# Altium PCB CCZynq.PcbDoc (part 3 of 5)
Units mil, origin at the board's own origin, x right, y up, seen from the top; angles counter-clockwise.
Board outline 3895 x 3895 mil, 4 copper layers (Top Layer, GND, PWR, Bottom Layer), stack 23.756 mil thick; 247 components, 195 nets, 1181 pads, 779 vias.
Unrouted connection lines stored in the file: 8.
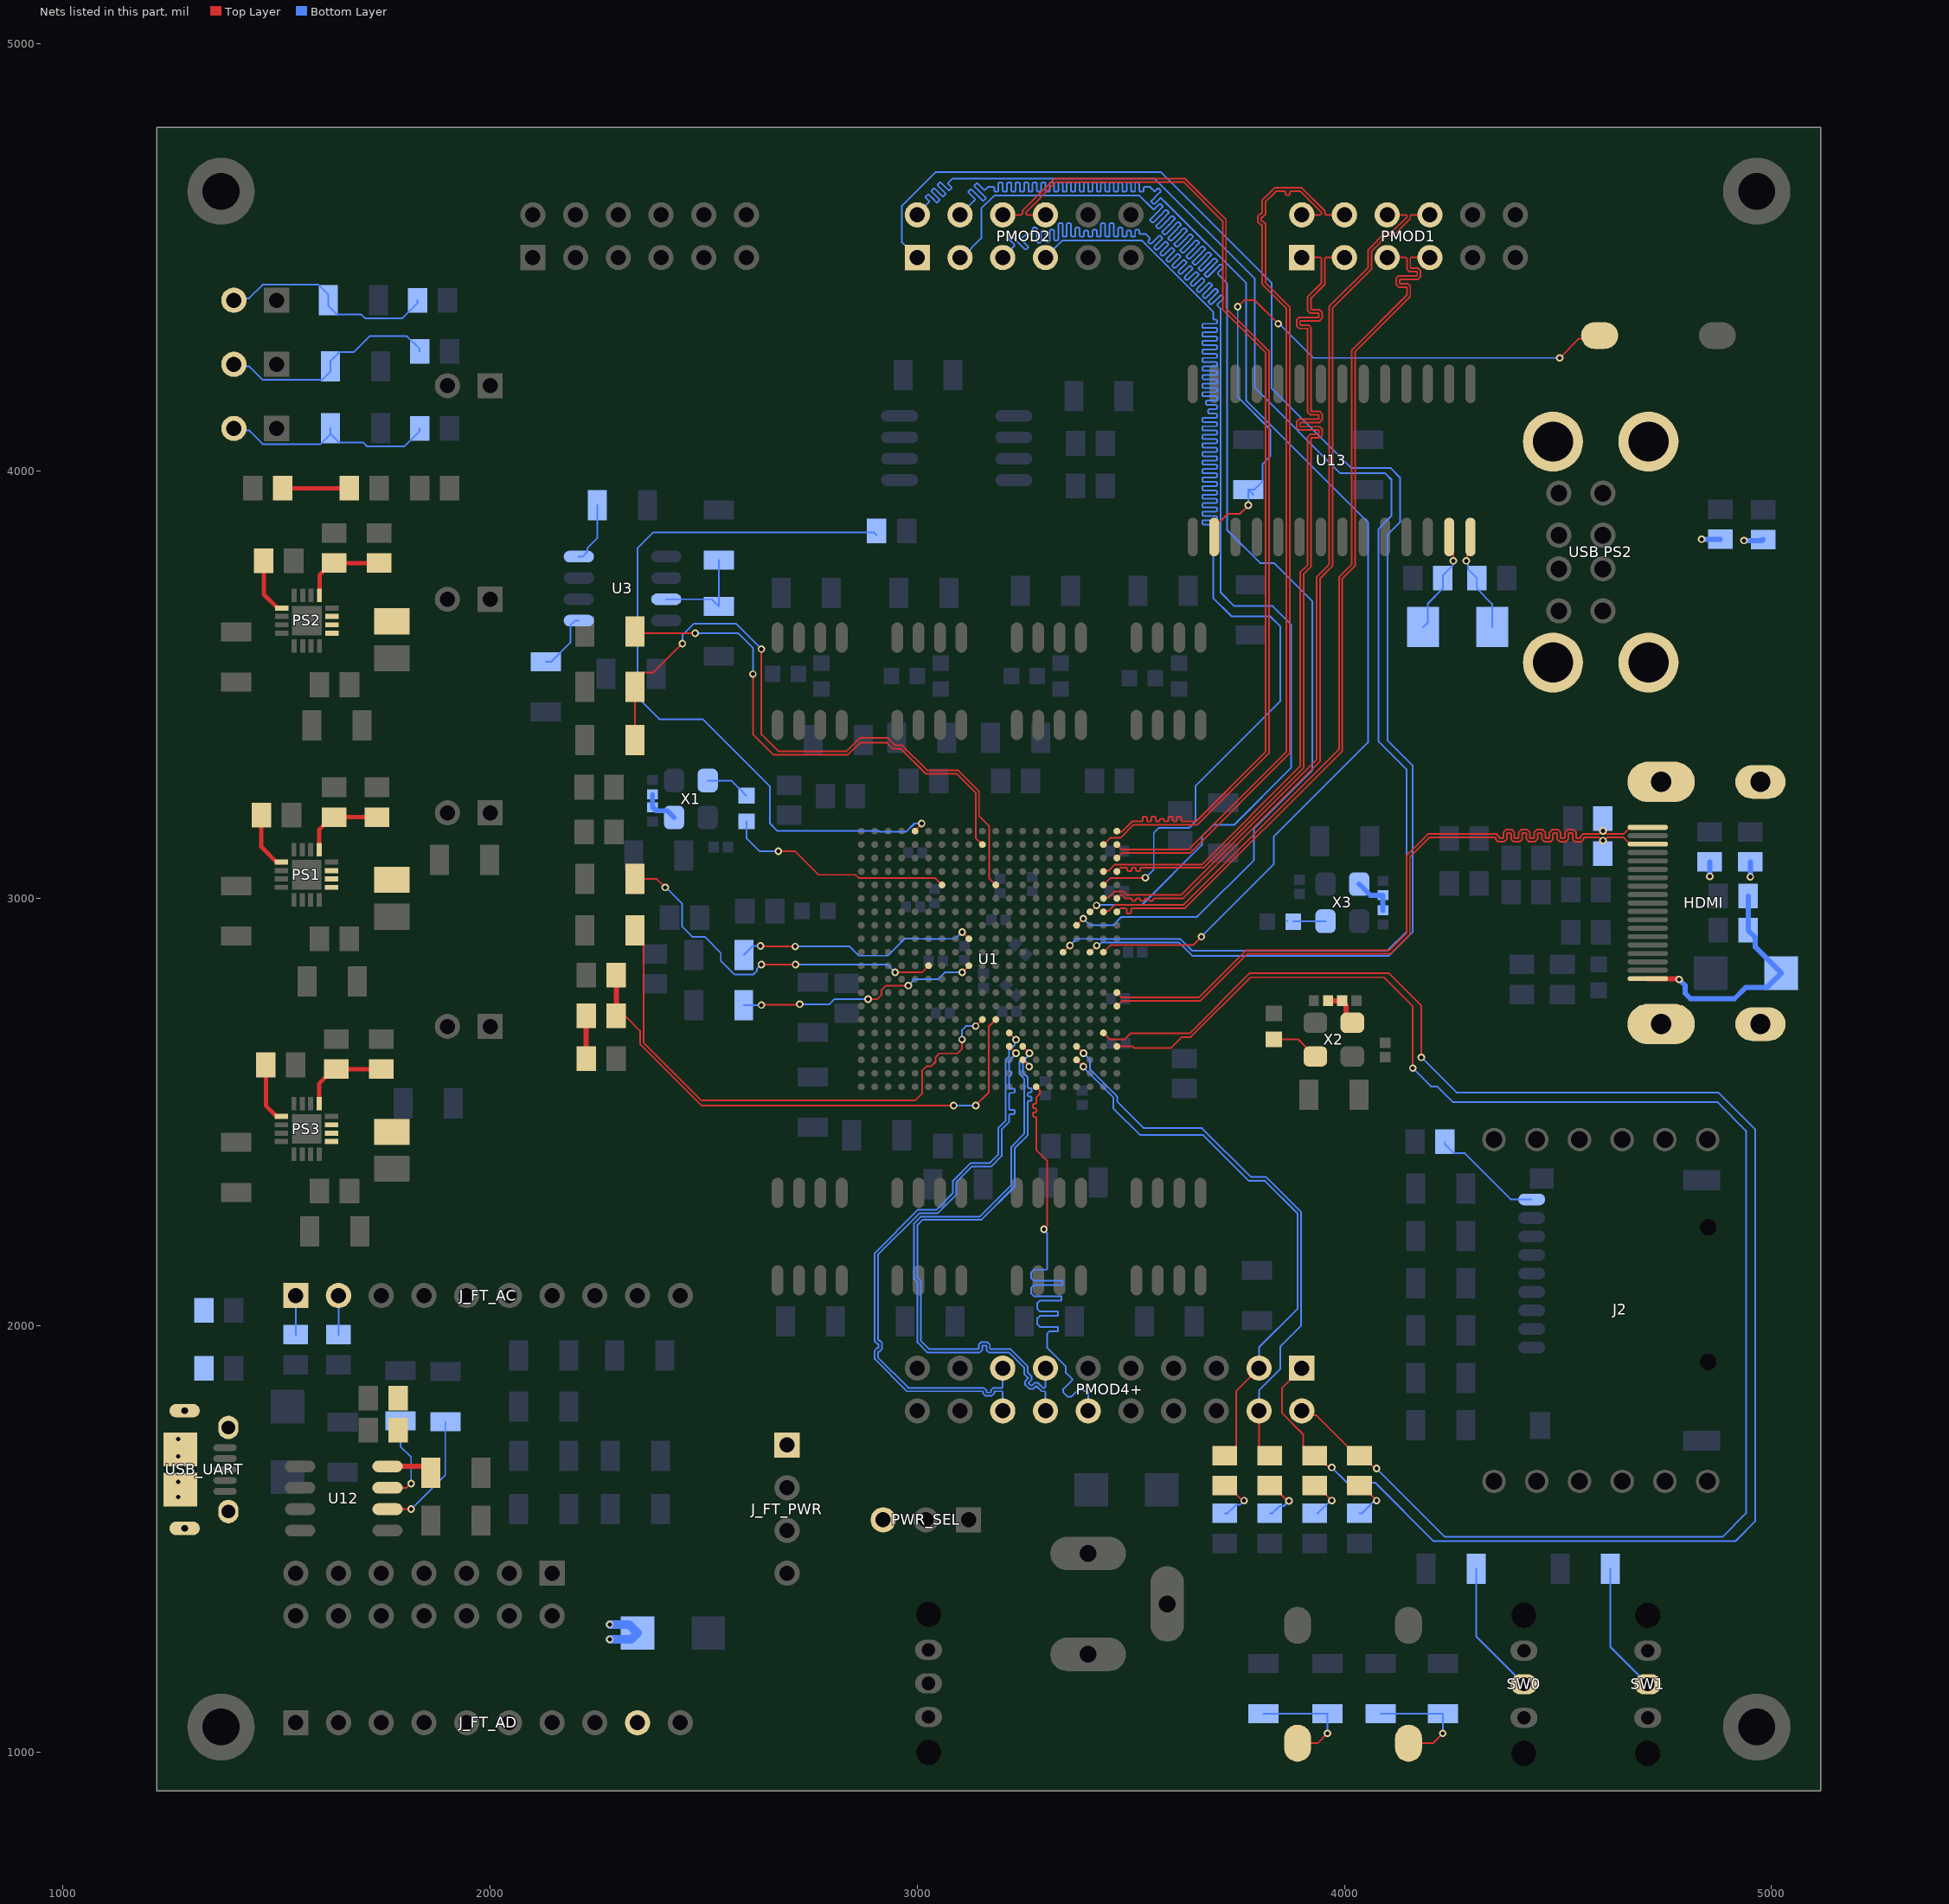
[diagram p5: the nets of this part, all layers, seen from the top]

## Via types
v1: diameter 17.72, hole 10, Top Layer to Bottom Layer, tented both sides, 747 vias
v2: diameter 23.62, hole 15.75, Top Layer to Bottom Layer, tented both sides, 32 vias

## Nets (pads, with @x,y where several pads share a name; then routed paths per layer and width w, separated by ;. In a path a pad name is that pad's centre, name@x,y a point inside that pad or via, vN(x,y) a via of type N, cw(c..) or ccw(c..) an arc to the next point about the centre after c; other vN are vias at no path point) (continued)
HDMI_D2_N: HDMI.3 R84.1 U1.P20 | length 1694.6
  Top Layer w4: U1.P20@3467.21,2747.76 3478.96,2759.51 3661.75,2759.51 3772.24,2870 4107.84,2870 4153,2915.16 4153,3096.69 4198.77,3142.46 4352.74,3142.46 4354,3141.2 4354,3138.4 4359.94,3132.46 4374.06,3132.46 4380,3138.4 4380,3151.2 4381.26,3152.46 4388.74,3152.46 4390,3151.2 4390,3138.4 4395.94,3132.46 4410.06,3132.46 4416,3138.4 4416,3151.2 4417.26,3152.46 4424.74,3152.46 4426,3151.2 4426,3138.4 4431.94,3132.46 4446.06,3132.46 4452,3138.4 4452,3151.2 4453.26,3152.46 4460.74,3152.46 4462,3151.2 4462,3138.4 4467.94,3132.46 4482.06,3132.46 4488,3138.4 4488,3151.2 4489.26,3152.46 4496.74,3152.46 4498,3151.2 4498,3138.4 4503.94,3132.46 4518.06,3132.46 4524,3138.4 4524,3151.2 4525.26,3152.46 4532.74,3152.46 4534,3151.2 4534,3138.4 4539.94,3132.46 4554.06,3132.46 4560,3138.4 4560,3141.2 4561.26,3142.46 4595.84,3142.46 4603.2,3135.1 v1(4605.04,3135.1) 4606.88,3135.1 4614.24,3142.46 4653.41,3142.46 4669.09,3126.77 HDMI.3@4710,3126.77
HDMI_D2_P: HDMI.1 R83.1 U1.N20 | length 1694.6
  Top Layer w4: U1.N20@3467.21,2779.26 3478.96,2767.51 3658.44,2767.51 3768.92,2878 4104.53,2878 4145,2918.47 4145,3100 4195.46,3150.46 4356.06,3150.46 4362,3144.51 4362,3141.71 4363.26,3140.46 4370.74,3140.46 4372,3141.71 4372,3154.51 4377.94,3160.46 4392.06,3160.46 4398,3154.51 4398,3141.71 4399.26,3140.46 4406.74,3140.46 4408,3141.71 4408,3154.51 4413.94,3160.46 4428.06,3160.46 4434,3154.51 4434,3141.71 4435.26,3140.46 4442.74,3140.46 4444,3141.71 4444,3154.51 4449.94,3160.46 4464.06,3160.46 4470,3154.51 4470,3141.71 4471.26,3140.46 4478.74,3140.46 4480,3141.71 4480,3154.51 4485.94,3160.46 4500.06,3160.46 4506,3154.51 4506,3141.71 4507.26,3140.46 4514.74,3140.46 4516,3141.71 4516,3154.51 4521.94,3160.46 4536.06,3160.46 4542,3154.51 4542,3141.71 4543.26,3140.46 4550.74,3140.46 4552,3141.71 4552,3144.51 4557.94,3150.46 4595.84,3150.46 4603.2,3157.82 v1(4605.04,3157.82) 4606.88,3157.82 4614.24,3150.46 4653.41,3150.46 4669.09,3166.14 HDMI.1@4710,3166.14
IO1: PMOD2.4 U1.K19 | length 3696.6
  Top Layer w4: U1.K19@3435.72,2873.75 3452.21,2890.24 3645.24,2890.24 v1(3665,2910)
  Bottom Layer w4: PMOD2.4@3100,4600 3132.5,4632.5 3134.62,4634.62 3134.62,4637.45 3119.94,4652.13 3119.94,4654.96 3124.18,4659.2 3127.01,4659.2 3143.11,4643.11 3152.66,4633.55 3155.49,4633.55 3159.73,4637.79 3159.73,4640.62 3150.18,4650.18 3134.08,4666.27 3134.08,4669.1 3138.32,4673.35 3141.15,4673.35 3155.83,4658.66 3158.66,4658.66 3164.32,4664.32 3165,4665 3170,4665 3178,4665 3180,4663 3180,4656.23 3182,4654.23 3188,4654.23 3190,4656.23 3190,4665 3190,4673.77 3192,4675.77 3198,4675.77 3200,4673.77 3200,4665 3200,4656.23 3202,4654.23 3208,4654.23 3210,4656.23 3210,4665 3210,4673.77 3212,4675.77 3218,4675.77 3220,4673.77 3220,4665 3220,4656.23 3222,4654.23 3228,4654.23 3230,4656.23 3230,4665 3230,4673.77 3232,4675.77 3238,4675.77 3240,4673.77 3240,4665 3240,4656.23 3242,4654.23 3248,4654.23 3250,4656.23 3250,4665 3250,4673.77 3252,4675.77 3258,4675.77 3260,4673.77 3260,4665 3260,4656.23 3262,4654.23 3268,4654.23 3270,4656.23 3270,4665 3270,4673.77 3272,4675.77 3278,4675.77 3280,4673.77 3280,4665 3280,4656.23 3282,4654.23 3288,4654.23 3290,4656.23 3290,4665 3290,4673.77 3292,4675.77 3298,4675.77 3300,4673.77 3300,4665 3300,4656.23 3302,4654.23 3308,4654.23 3310,4656.23 3310,4665 3310,4673.77 3312,4675.77 3318,4675.77 3320,4673.77 3320,4665 3320,4656.23 3322,4654.23 3328,4654.23 3330,4656.23 3330,4665 3330,4673.77 3332,4675.77 3338,4675.77 3340,4673.77 3340,4665 3340,4656.23 3342,4654.23 3348,4654.23 3350,4656.23 3350,4665 3350,4673.77 3352,4675.77 3358,4675.77 3360,4673.77 3360,4665 3360,4656.23 3362,4654.23 3368,4654.23 3370,4656.23 3370,4665 3370,4673.77 3372,4675.77 3378,4675.77 3380,4673.77 3380,4665 3380,4656.23 3382,4654.23 3388,4654.23 3390,4656.23 3390,4665 3390,4673.77 3392,4675.77 3398,4675.77 3400,4673.77 3400,4665 3400,4656.23 3402,4654.23 3408,4654.23 3410,4656.23 3410,4665 3410,4673.77 3412,4675.77 3418,4675.77 3420,4673.77 3420,4665 3420,4656.23 3422,4654.23 3428,4654.23 3430,4656.23 3430,4665 3430,4673.77 3432,4675.77 3438,4675.77 3440,4673.77 3440,4665 3440,4656.23 3442,4654.23 3448,4654.23 3450,4656.23 3450,4665 3450,4673.77 3452,4675.77 3458,4675.77 3460,4673.77 3460,4665 3460,4656.23 3462,4654.23 3468,4654.23 3470,4656.23 3470,4665 3470,4673.77 3472,4675.77 3478,4675.77 3480,4673.77 3480,4665 3480,4656.23 3482,4654.23 3488,4654.23 3490,4656.23 3490,4665 3490,4673.77 3492,4675.77 3498,4675.77 3500,4673.77 3500,4665 3500,4656.23 3502,4654.23 3508,4654.23 3510,4656.23 3510,4665 3510,4673.77 3512,4675.77 3518,4675.77 3520,4673.77 3520,4665 3520,4655.98 3522,4653.98 3528,4653.98 3530,4655.98 3530,4663 3532,4665 3540,4665 3545,4665 3548.54,4661.46 3554.19,4655.81 3557.02,4655.81 3562.66,4661.45 3565.49,4661.45 3569.73,4657.21 3569.73,4654.38 3562.68,4647.32 3548.12,4632.77 3548.12,4629.94 3552.36,4625.69 3555.19,4625.69 3568.33,4638.84 3571.16,4638.84 3585,4625 3770,4440 3770,4165 4055,3880 4055,3364.76 3835,3144.76 3835,3080.63 3665,2910.63 v1(3665,2910)
IO2: PMOD2.2 U1.K16 | length 3689.5
  Top Layer w4: U1.K16@3341.23,2873.75 3341.34,2873.75 3357.09,2889.5 v1(3357.21,2889.5)
  Bottom Layer w4: PMOD2.2@3000,4600 3000,4602.65 3025,4627.65 3027.12,4629.78 3027.12,4632.6 3019.73,4639.99 3019.73,4642.82 3023.98,4647.06 3026.8,4647.06 3035.61,4638.26 3044.41,4629.46 3047.24,4629.46 3051.48,4633.7 3051.48,4636.53 3042.68,4645.33 3033.87,4654.13 3033.87,4656.96 3038.12,4661.21 3040.95,4661.21 3049.75,4652.4 3058.55,4643.6 3061.38,4643.6 3065.62,4647.84 3065.62,4650.67 3056.82,4659.47 3048.02,4668.28 3048.02,4671.11 3052.26,4675.35 3055.09,4675.35 3063.89,4666.54 3072.69,4657.74 3075.52,4657.74 3079.76,4661.98 3079.76,4664.81 3072.35,4672.23 3072.35,4675 3082.35,4685 3555,4685 3790.09,4449.91 3790.09,4195 3990.09,3995 4095,3995 4110,3980 4110,3895 4080,3865 4080,3367.05 4145,3302.05 4145,2921.69 4100.58,2877.27 3643.31,2877.27 3615.68,2904.9 3413.4,2904.9 3413.17,2905.13 3372.84,2905.13 v1(3357.21,2889.5)
IO3: PMOD2.1 U1.K18 | length 3677.8
  Top Layer w4: U1.K18@3404.22,2873.75 3404.45,2873.75 3419.74,2889.04 v1(3419.97,2889.04)
  Bottom Layer w4: PMOD2.1@3000,4500 2963.47,4536.53 2963.47,4620.64 3042.37,4699.54 3570.46,4699.54 3829.14,4440.86 3829.14,4193.97 4016.26,4006.85 4108.15,4006.85 4130,3985 4130,3880.47 4100.58,3851.05 4100.58,3369.74 4160,3310.32 4160,2921.63 4103.37,2865 3644.27,2865 3612.37,2896.9 3431.54,2896.9 3423.68,2889.04 v1(3419.97,2889.04)
IO4: PMOD2.3 U1.H17 | length 3697.8
  Top Layer w4: U1.H17@3372.72,2936.74 v1(3388.47,2952.49)
  Bottom Layer w4: PMOD2.3@3100,4500 3104.71,4500 3150,4545.29 3150,4615 3180,4645 3520,4645 3550,4615 3552.12,4612.88 3554.95,4612.88 3567.18,4625.11 3570.01,4625.11 3574.25,4620.86 3574.25,4618.04 3560.61,4604.39 3545.42,4589.21 3545.42,4586.38 3549.67,4582.14 3552.5,4582.14 3567.68,4597.32 3581.32,4610.96 3584.15,4610.96 3588.39,4606.72 3588.39,4603.89 3574.75,4590.25 3559.57,4575.07 3559.57,4572.24 3563.81,4568 3566.64,4568 3581.82,4583.18 3595.46,4596.82 3598.29,4596.82 3602.53,4592.58 3602.53,4589.75 3588.89,4576.11 3573.71,4560.93 3573.71,4558.1 3577.95,4553.86 3580.78,4553.86 3595.96,4569.04 3609.6,4582.68 3612.43,4582.68 3616.68,4578.44 3616.68,4575.61 3603.03,4561.97 3587.85,4546.78 3587.85,4543.96 3592.09,4539.71 3594.92,4539.71 3610.1,4554.9 3623.75,4568.54 3626.57,4568.54 3630.82,4564.3 3630.82,4561.47 3617.18,4547.82 3601.99,4532.64 3601.99,4529.81 3606.24,4525.57 3609.06,4525.57 3624.25,4540.75 3637.89,4554.4 3640.72,4554.4 3644.96,4550.15 3644.96,4547.32 3631.32,4533.68 3616.13,4518.5 3616.13,4515.67 3620.38,4511.43 3623.21,4511.43 3638.39,4526.61 3652.03,4540.25 3654.86,4540.25 3659.1,4536.01 3659.1,4533.18 3645.46,4519.54 3630.28,4504.36 3630.28,4501.53 3634.52,4497.29 3637.35,4497.29 3652.53,4512.47 3666.17,4526.11 3669,4526.11 3673.24,4521.87 3673.24,4519.04 3659.6,4505.4 3644.42,4490.22 3644.42,4487.39 3648.66,4483.14 3651.49,4483.14 3666.67,4498.33 3680.31,4511.97 3683.14,4511.97 3687.39,4507.73 3687.39,4504.9 3673.74,4491.26 3658.56,4476.07 3658.56,4473.25 3662.8,4469 3665.63,4469 3680.81,4484.19 3694.46,4497.83 3697.29,4497.83 3701.53,4493.58 3701.53,4490.76 3687.89,4477.11 3672.7,4461.93 3672.7,4459.1 3676.95,4454.86 3679.77,4454.86 3694.96,4470.04 3708.6,4483.69 3711.43,4483.69 3715.67,4479.44 3715.67,4476.61 3703.44,4464.39 3703.44,4461.56 3725,4440 3725,3862.47 3802.47,3785 3835,3785 3925,3695 3925,3300 3788.15,3163.15 3788.15,3089.87 3654.99,2956.71 3478.12,2956.71 3458.03,2936.62 3404.34,2936.62 v1(3388.47,2952.49)
IO5: PMOD2.5 U1.G18 | length 3696.7
  Top Layer w4: U1.G18@3404.22,2968.24 3404.51,2968.24 3419.55,2983.27 v1(3419.83,2983.27)
  Bottom Layer w4: PMOD2.5@3200,4500 3225,4525 3227.12,4527.12 3227.12,4529.95 3212.09,4544.98 3212.09,4547.81 3216.33,4552.06 3219.16,4552.06 3235.61,4535.61 3252.06,4519.16 3254.88,4519.16 3259.13,4523.4 3259.13,4526.23 3244.09,4541.26 3244.09,4544.09 3249.75,4549.75 3255,4555 3260,4555 3268,4555 3270,4557 3270,4568.1 3272,4570.1 3278,4570.1 3280,4568.1 3280,4555 3280,4537.24 3282,4535.24 3288,4535.24 3290,4537.24 3290,4555 3290,4560.79 3292,4562.79 3298,4562.79 3300,4560.79 3300,4555 3300,4539.21 3302,4537.21 3308,4537.21 3310,4539.21 3310,4555 3310,4562.76 3312,4564.76 3318,4564.76 3320,4562.76 3320,4555 3320,4542.05 3322,4540.05 3328,4540.05 3330,4542.05 3330,4555 3330,4578.26 3332,4580.26 3338,4580.26 3340,4578.26 3340,4555 3340,4550.74 3342,4548.74 3348,4548.74 3350,4550.74 3350,4555 3350,4578.26 3352,4580.26 3358,4580.26 3360,4578.26 3360,4555 3360,4550.74 3362,4548.74 3368,4548.74 3370,4550.74 3370,4555 3370,4568.1 3372,4570.1 3378,4570.1 3380,4568.1 3380,4555 3380,4550.74 3382,4548.74 3388,4548.74 3390,4550.74 3390,4555 3390,4560.79 3392,4562.79 3398,4562.79 3400,4560.79 3400,4555 3400,4550.74 3402,4548.74 3408,4548.74 3410,4550.74 3410,4555 3410,4562.76 3412,4564.76 3418,4564.76 3420,4562.76 3420,4555 3420,4550.74 3422,4548.74 3428,4548.74 3430,4550.74 3430,4555 3430,4578.26 3432,4580.26 3438,4580.26 3440,4578.26 3440,4555 3440,4550.74 3442,4548.74 3448,4548.74 3450,4550.74 3450,4555 3450,4578.26 3452,4580.26 3458,4580.26 3460,4578.26 3460,4555 3460,4550.74 3462,4548.74 3468,4548.74 3470,4550.74 3470,4555 3470,4568.1 3472,4570.1 3478,4570.1 3480,4568.1 3480,4555 3480,4550.74 3482,4548.74 3488,4548.74 3490,4550.74 3490,4555 3490,4560.79 3492,4562.79 3498,4562.79 3500,4560.79 3500,4555 3500,4550.74 3502,4548.74 3508,4548.74 3510,4550.74 3510,4555 3510,4562.76 3512,4564.76 3518,4564.76 3520,4562.76 3520,4557 3522,4555 3530,4555 3535,4555 3538.54,4551.46 3544.19,4545.81 3544.19,4542.98 3540.7,4539.48 3540.7,4536.66 3544.94,4532.41 3547.77,4532.41 3552.68,4537.32 3565.99,4550.63 3568.82,4550.63 3573.06,4546.39 3573.06,4543.56 3559.75,4530.25 3554.84,4525.34 3554.84,4522.51 3559.08,4518.27 3561.91,4518.27 3566.82,4523.18 3580.13,4536.49 3582.96,4536.49 3587.2,4532.25 3587.2,4529.42 3573.89,4516.11 3568.98,4511.2 3568.98,4508.37 3573.22,4504.13 3576.05,4504.13 3580.96,4509.04 3594.27,4522.35 3597.1,4522.35 3601.35,4518.11 3601.35,4515.28 3588.03,4501.97 3583.12,4497.06 3583.12,4494.23 3587.37,4489.99 3590.2,4489.99 3595.1,4494.9 3608.42,4508.21 3611.24,4508.21 3615.49,4503.97 3615.49,4501.14 3602.18,4487.82 3597.27,4482.92 3597.27,4480.09 3601.51,4475.85 3604.34,4475.85 3609.25,4480.75 3622.56,4494.07 3625.39,4494.07 3629.63,4489.82 3629.63,4486.99 3616.32,4473.68 3611.41,4468.77 3611.41,4465.95 3615.65,4461.7 3618.48,4461.7 3623.39,4466.61 3636.7,4479.92 3639.53,4479.92 3643.77,4475.68 3643.77,4472.85 3630.46,4459.54 3625.55,4454.63 3625.55,4451.8 3629.79,4447.56 3632.62,4447.56 3637.53,4452.47 3650.84,4465.78 3653.67,4465.78 3657.91,4461.54 3657.91,4458.71 3644.6,4445.4 3639.69,4440.49 3639.69,4437.66 3643.94,4433.42 3646.76,4433.42 3651.67,4438.33 3664.98,4451.64 3667.81,4451.64 3672.06,4447.4 3672.06,4444.57 3658.74,4431.26 3653.84,4426.35 3653.84,4423.52 3658.08,4419.28 3660.91,4419.28 3665.81,4424.19 3682.26,4440.63 3685.09,4440.63 3689.34,4436.39 3689.34,4433.56 3672.89,4417.11 3667.98,4412.21 3667.98,4409.38 3672.22,4405.13 3675.05,4405.13 3679.96,4410.04 3696.41,4426.49 3699.23,4426.49 3703.48,4422.25 3703.48,4419.42 3687.03,4402.97 3682.12,4398.06 3682.12,4395.23 3686.36,4390.99 3689.19,4390.99 3694.1,4395.9 3709.41,4411.21 3712.24,4411.21 3716.48,4406.97 3716.48,4404.14 3702.58,4390.24 3702.58,4387.42 3708.24,4381.76 3710,4380 3710,3715.96 3741.82,3684.14 3832.09,3684.14 3875,3641.23 3875,3305.35 3741.41,3171.76 3693.08,3171.76 3666.32,3145 3666.32,3124.6 3526.72,2985 3421.56,2985 v1(3419.83,2983.27)
IO6: PMOD2.7 U1.E19 | length 3696.6
  Top Layer w4: U1.E19@3435.72,3031.23 3452.21,3047.72 3533.75,3047.72 v1(3534.06,3048.03)
  Bottom Layer w4: PMOD2.7@3300,4500 3340,4540 3525,4540 3693.08,4371.92 3693.08,4360 3693.08,4357 3695.08,4355 3699.64,4355 3701.64,4353 3701.64,4347 3699.64,4345 3693.08,4345 3669.44,4345 3667.44,4343 3667.44,4337 3669.44,4335 3693.08,4335 3699.64,4335 3701.64,4333 3701.64,4327 3699.64,4325 3693.08,4325 3669.44,4325 3667.44,4323 3667.44,4317 3669.44,4315 3693.08,4315 3699.64,4315 3701.64,4313 3701.64,4307 3699.64,4305 3693.08,4305 3669.44,4305 3667.44,4303 3667.44,4297 3669.44,4295 3693.08,4295 3699.64,4295 3701.64,4293 3701.64,4287 3699.64,4285 3693.08,4285 3669.44,4285 3667.44,4283 3667.44,4277 3669.44,4275 3693.08,4275 3699.64,4275 3701.64,4273 3701.64,4267 3699.64,4265 3693.08,4265 3669.44,4265 3667.44,4263 3667.44,4257 3669.44,4255 3693.08,4255 3699.64,4255 3701.64,4253 3701.64,4247 3699.64,4245 3693.08,4245 3669.44,4245 3667.44,4243 3667.44,4237 3669.44,4235 3693.08,4235 3699.64,4235 3701.64,4233 3701.64,4227 3699.64,4225 3693.08,4225 3669.44,4225 3667.44,4223 3667.44,4217 3669.44,4215 3693.08,4215 3699.64,4215 3701.64,4213 3701.64,4207 3699.64,4205 3693.08,4205 3669.44,4205 3667.44,4203 3667.44,4197 3669.44,4195 3693.08,4195 3699.64,4195 3701.64,4193 3701.64,4187 3699.64,4185 3693.08,4185 3669.44,4185 3667.44,4183 3667.44,4177 3669.44,4175 3693.08,4175 3699.64,4175 3701.64,4173 3701.64,4167 3699.64,4165 3693.08,4165 3677.8,4165 3675.8,4163 3675.8,4157 3677.8,4155 3693.08,4155 3699.64,4155 3701.64,4153 3701.64,4147 3699.64,4145 3693.08,4145 3683.1,4145 3681.1,4143 3681.1,4137 3683.1,4135 3693.08,4135 3699.64,4135 3701.64,4133 3701.64,4127 3699.64,4125 3693.08,4125 3669.44,4125 3667.44,4123 3667.44,4117 3669.44,4115 3693.08,4115 3699.64,4115 3701.64,4113 3701.64,4107 3699.64,4105 3693.08,4105 3669.44,4105 3667.44,4103 3667.44,4097 3669.44,4095 3693.08,4095 3699.64,4095 3701.64,4093 3701.64,4087 3699.64,4085 3693.08,4085 3669.44,4085 3667.44,4083 3667.44,4077 3669.44,4075 3693.08,4075 3699.64,4075 3701.64,4073 3701.64,4067 3699.64,4065 3693.08,4065 3669.44,4065 3667.44,4063 3667.44,4057 3669.44,4055 3693.08,4055 3699.64,4055 3701.64,4053 3701.64,4047 3699.64,4045 3693.08,4045 3669.44,4045 3667.44,4043 3667.44,4037 3669.44,4035 3693.08,4035 3699.64,4035 3701.64,4033 3701.64,4027 3699.64,4025 3693.08,4025 3669.44,4025 3667.44,4023 3667.44,4017 3669.44,4015 3693.08,4015 3699.64,4015 3701.64,4013 3701.64,4007 3699.64,4005 3693.08,4005 3669.44,4005 3667.44,4003 3667.44,3997 3669.44,3995 3693.08,3995 3699.64,3995 3701.64,3993 3701.64,3987 3699.64,3985 3693.08,3985 3669.44,3985 3667.44,3983 3667.44,3977 3669.44,3975 3693.08,3975 3699.64,3975 3701.64,3973 3701.64,3967 3699.64,3965 3693.08,3965 3669.44,3965 3667.44,3963 3667.44,3957 3669.44,3955 3693.08,3955 3699.64,3955 3701.64,3953 3701.64,3947 3699.64,3945 3693.08,3945 3669.44,3945 3667.44,3943 3667.44,3937 3669.44,3935 3693.08,3935 3699.64,3935 3701.64,3933 3701.64,3927 3699.64,3925 3693.08,3925 3669.44,3925 3667.44,3923 3667.44,3917 3669.44,3915 3693.08,3915 3699.64,3915 3701.64,3913 3701.64,3907 3699.64,3905 3693.08,3905 3669.44,3905 3667.44,3903 3667.44,3897 3669.44,3895 3693.08,3895 3699.64,3895 3701.64,3893 3701.64,3887 3699.64,3885 3693.08,3885 3669.44,3885 3667.44,3883 3667.44,3877 3669.44,3875 3693.08,3875 3699.64,3875 3701.64,3873 3701.64,3867 3699.64,3865 3695.08,3865 3693.08,3863 3693.08,3825 3693.08,3702.42 3735.5,3660 3826.27,3660 3850,3636.27 3850,3462 3650.94,3262.94 3650.94,3179.3 3636.44,3164.8 3564.8,3164.8 3553.54,3153.54 3553.54,3067.51 v1(3534.06,3048.03)
JTAG5V: D5.2 J_FT_AD.9 J_FT_PWR.1 PWR_SEL.3 R45.1 R46.1 | length 145.1
  Bottom Layer w20: v1(2280,1265) 2330.28,1265 D5.2@2345.28,1280 2325.28,1300 v1(2280,1300)
LED0: LED0.A PMOD4+.2 U1.U20 | length 3857.5
  Top Layer w4: U1.U20@3467.21,2653.28 3504.29,2653.28 3508.43,2649.14 3593.26,2649.14 3609.14,2665.02 3619.12,2675 3640,2675 3780.01,2815.01 4091.96,2815.01 4159.96,2747 v1(4159.96,2602.32) ; PMOD4+.2@3900,1800 3910.53,1789.47 3934.47,1789.47 4028.9,1695.04 LED0.A@4035,1695.04 4041.1,1695.04 4068.52,1667.62 4072.38,1667.62 v1(4075,1665)
  Bottom Layer w4: v1(4075,1665) 4235,1505 4885,1505 4940,1560 4940,2455.82 4872.77,2523.05 4253.68,2523.05 4216.96,2559.77 4202.51,2559.77 v1(4159.96,2602.32)
LED1: LED1.A PMOD4+.1 U1.T19 | length 4129.6
  Top Layer w4: U1.T19@3435.72,2684.77 3451.22,2669.27 3484.62,2669.27 3498.85,2683.5 3637.19,2683.5 3778.69,2825 4103.13,2825 4180,2748.13 v1(4180,2627.49) ; PMOD4+.1@3900,1900 3854.02,1854.02 3854.02,1794.32 3903.06,1745.27 3903.06,1715.87 3923.9,1695.04 LED1.A@3930,1695.04 3936.1,1695.04 3960.89,1670.25 3967.38,1670.25 v1(3970,1667.62)
  Bottom Layer w4: v1(3970,1667.62) 4005.79,1631.83 4072.08,1631.83 4208.91,1495 4915,1495 4961.87,1541.87 4961.87,2458.84 4875.15,2545.57 4261.92,2545.57 v1(4180,2627.49)
LED2: LED2.A PMOD4+.4 U1.U17 | length 1330
  Top Layer w4: U1.U17@3372.72,2653.28 3372.84,2653.28 3388.59,2637.53 v1(3388.93,2637.53) ; PMOD4+.4@3800,1800 3800,1715.87 3820.83,1695.04 LED2.A@3825,1695.04
  Bottom Layer w4: v1(3388.93,2637.53) 3404.57,2621.9 3404.57,2599.46 3467.1,2536.93 3467.1,2536.47 3467.81,2535.75 3467.81,2524.53 3530.3,2462.04 3666.39,2462.04 3780.93,2347.5 3816.44,2347.5 3898,2265.94 3898,1999.19 3850,1951.19 3850,1898.34 3800,1848.34 PMOD4+.4@3800,1800
LED3: LED3.A PMOD4+.3 U1.V17 | length 1323.9
  Top Layer w4: U1.V17@3372.72,2621.78 3372.72,2621.66 3388.36,2606.03 v1(3388.7,2606.03) ; LED3.A@3720,1695.04 3726.1,1695.04 3746.94,1715.87 3746.94,1846.94 PMOD4+.3@3800,1900
  Bottom Layer w4: v1(3388.7,2606.03) 3388.7,2604.01 3459.1,2533.62 3459.1,2533.16 3459.18,2533.08 3459.18,2515.82 3459.26,2507.33 3522.33,2445.53 3543.17,2445.74 3669.26,2445.74 3776.56,2338.44 3814.19,2338.44 3890,2262.63 3890,2038.75 3800,1948.75 PMOD4+.3@3800,1900
NetBTN0_2: BTN0.2 R69.1 R73.2 | length 275.8
  Top Layer w4: BTN0.2@3890,1022.2 3937.2,1022.2 v1(3960,1045)
  Bottom Layer w4: R69.1@3810,1091.34 R73.2@3960,1091.34 v1(3960,1045)
NetBTN1_2: BTN1.2 R70.1 R74.2 | length 280.8
  Top Layer w4: BTN1.2@4150,1022.2 4207.2,1022.2 v1(4230,1045)
  Bottom Layer w4: R70.1@4085,1091.34 R74.2@4230,1091.34 v1(4230,1045)
NetC8_1: C8.1 U1.J9 | length 575.2
  Top Layer w4: v1(2633,2888.38) 2633.68,2887.7 2713.48,2887.7 v1(2714.15,2887.03) ; v1(3105.01,2920.99) U1.J9@3120.76,2905.24
  Bottom Layer w4: C8.1@2594.42,2867.32 2594.42,2868.13 2614.66,2888.38 v1(2633,2888.38) ; v1(2714.15,2887.03) 2841.96,2887.03 2863.35,2865.63 2930.63,2865.63 2970.36,2905.36 3003.72,2905.36 3003.95,2905.13 3017.09,2905.13 3017.78,2904.44 3048.7,2904.44 3049.39,2905.13 3080.08,2905.13 3089.14,2905.13 v1(3105.01,2920.99)
NetC43_2: C43.2 C46.1 X1.1 | length 90.9
  Bottom Layer w12: C46.1@2380,3243.27 C43.2@2380,3212.83 2380.98,3212.83 2389.01,3204.81 2414.84,3204.81 X1.1@2430.63,3189.02
NetC47_2: C47.2 U1.L9 | length 571.7
  Top Layer w4: v1(2635,2750) 2636.06,2751.06 2723.94,2751.06 v1(2725,2752.11) ; v1(2884.54,2764.09) 2906.33,2764.09 2916.03,2773.79 2916.03,2784.73 2926.88,2795.58 v1(2979.02,2795.58) ; v1(3105.01,2826.5) U1.L9@3120.76,2842.25
  Bottom Layer w4: C47.2@2593.66,2750 v1(2635,2750) ; v1(2725,2752.11) 2794.51,2752.11 2806.49,2764.09 v1(2884.54,2764.09) ; v1(2979.02,2795.58) 2994.08,2810.64 3048.59,2810.64 3064.45,2826.5 v1(3105.01,2826.5)
NetC54_2: C54.2 PS1.9 | length 146.8
  Top Layer w10: C54.2@1464.96,3195 1464.06,3194.1 1464.06,3120.63 PS1.9@1501.1,3083.58 ; PS1.9@1501.1,3083.58 1510.94,3083.58 PS1.9@1501.1,3083.58
NetC56_2: C56.2 PS2.9 | length 133.6
  Top Layer w10: C56.2@1469.96,3790 1469.96,3711.61 1502.05,3679.53 PS2.9@1511.89,3679.53
NetC61_2: C61.2 R40.2 USB_UART.SH2 USB_UART.SH3 USB_UART.SH4 USB_UART.SH5 USB_UART.SH7 USB_UART.SH8
  other v1: 1270.14,1598.66 1270.14,1633.66 1270.14,1693.66 1270.14,1733.66
NetC62_2: C62.2 PS3.9 | length 141.9
  Top Layer w10: C62.2@1474.96,2610 1474.96,2514.3 1499.73,2489.53 PS3.9@1510.94,2489.53
NetC72_2: C72.2 C75.1 X2.1 | length 94.2
  Top Layer w12: C75.1@3961.73,2760 C72.2@3994.61,2760 4003.92,2750.69 4003.92,2722.9 X2.1@4018.31,2708.51
NetC76_2: C76.2 C79.1 X3.1 | length 101.8
  Bottom Layer w12: X3.1@4034.37,3033.08 4060.21,3007.24 C76.2@4090,3007.24 C79.1@4090,2971.73
NetC80_2: "USB PS2.MH1" "USB PS2.MH2" "USB PS2.MH3" "USB PS2.MH4" C80.2 R49.2 | length 90.1
  Bottom Layer w12: v1(4835.95,3840.52) C80.2@4880,3840.52 ; v1(4935,3837.49) 4977.53,3837.49 R49.2@4980,3839.96
NetC83_1: C83.1 HDMI.SH1 HDMI.SH2 HDMI.SH3 HDMI.SH4 R89.1 | length 68.7
  Bottom Layer w12: v1(4855,3051.19) C83.1@4855,3084.96 ; v1(4950,3050) R89.1@4950,3084.96
NetC84_1: C84.1 U12.8 | length 107.8
  Top Layer w12: U12.8@1759.77,1670 1846.34,1670 C84.1@1861.34,1655
NetC86_2: C86.2 U13.13 Y1.1 | length 244.3
  Top Layer w4: U13.13@4245,3845.87 4245,3815 4255,3805 v1(4255,3790)
  Bottom Layer w4: Y1.1@4184.29,3635 4195,3645.71 4195,3690 4230.04,3725.04 C86.2@4230.04,3750 4230.04,3756.1 4255,3781.06 v1(4255,3790)
NetC87_2: C87.2 U13.14 Y1.2 | length 240.2
  Top Layer w4: v1(4285,3790) 4287.62,3792.62 4287.62,3807.62 4295,3815 U13.14@4295,3845.87
  Bottom Layer w4: v1(4285,3790) 4285,3786.29 4289.13,3782.16 4289.13,3770.83 C87.2@4309.96,3750 4309.96,3725.04 4345.71,3689.29 Y1.2@4345.71,3635
NetC89_1: C89.1 U13.2 USBRST.2 | length 1596.6
  Top Layer w4: U13.2@3695,3845.87 3695,3868.27 3726.73,3900 3755,3900 v1(3775,3920) ; v1(3750,4385.13) 3764.87,4400 3790,4400 v1(3845,4345) ; v1(4504.08,4265) 4549.34,4310.26 4589.97,4310.26 USBRST.2@4597.2,4317.5
  Bottom Layer w4: v1(3750,4385.13) 3750,4173.69 3826.27,4097.42 3826.27,4034.71 3808.43,4016.87 3808.43,3976.58 3788.19,3956.34 C89.1@3775,3956.34 ; v1(3775,3920) C89.1@3775,3956.34 ; C89.1@3786.34,3945 C89.1@3775,3956.34 ; v1(3845,4345) 3847.43,4345 3927.43,4265 v1(4504.08,4265)
NetD1_A: D1.A R12.1 | length 100
  Top Layer w12: D1.A@2224.96,2625 R12.1@2224.96,2725
NetD2_A: D2.A R35.1 | length 331.7
  Top Layer w10: D2.A@1514.1,3960.04 1679.96,3960.04 D2.A@1514.1,3960.04
NetD10_2: D10.2 HDMI.19 R87.1 R88.1 | length 579.9
  Top Layer w12: HDMI.19@4710,2811.81 4780.09,2811.81 4781.91,2810 v1(4783.45,2810)
  Bottom Layer w12: v1(4783.45,2810) 4797.41,2796.04 4797.41,2777.59 4810,2765 4913.02,2765 4939.65,2791.63 4989.31,2791.63 D10.2@5022.68,2825 4961.87,2885.8 4961.87,2908.17 R88.1@4945.04,2925 R87.1@4945.04,3005
NetJ2_9: J2.9 R67.1 | length 262.8
  Bottom Layer w4: R67.1@4235.04,2430 4235.04,2423.9 4255.87,2403.06 4281.94,2403.06 4390.16,2294.84 J2.9@4438.31,2294.84
NetJ_FT_AC_1: J_FT_AC.1 R42.2 | length 91.8
  Bottom Layer w4: R42.2@1545,1978.23 J_FT_AC.1@1545,2070
NetJ_FT_AC_2: J_FT_AC.2 R43.2 | length 91.8
  Bottom Layer w4: R43.2@1645,1978.23 J_FT_AC.2@1645,2070
NetJP_BOOT_2: JP_BOOT.2 R22.2 R23.1 | length 506.2
  Bottom Layer w4: JP_BOOT.2@1400,4100 1404.49,4095.51 1435.53,4095.51 1467.57,4063.47 1602.99,4063.47 R23.1@1626.34,4086.81 ; R23.1@1626.34,4100 R23.1@1626.34,4086.81 ; R22.2@1834.96,4100 1834.96,4093.9 1798.63,4057.56 1712.2,4057.56 1703.19,4066.57 1646.58,4066.57 R23.1@1626.34,4086.81
NetJP_JTAG_2: JP_JTAG.2 R14.2 R15.1 | length 514.4
  Bottom Layer w4: JP_JTAG.2@1400,4400 1404.49,4404.49 1435.53,4404.49 1467.57,4436.53 1598,4436.53 1621.34,4413.19 R15.1@1621.34,4400 1621.34,4386.81 1641.58,4366.57 1698.19,4366.57 1707.2,4357.56 1793.63,4357.56 1829.96,4393.9 R14.2@1829.96,4400
NetJP_PLL_2: JP_PLL.2 R19.2 R20.1 | length 525.3
  Bottom Layer w4: JP_PLL.2@1400,4250 1404.49,4245.51 1435.53,4245.51 1467.57,4213.47 1606.09,4213.47 1626.34,4233.71 R20.1@1626.34,4245 1626.34,4258.19 1646.58,4278.43 1680.36,4278.43 1717.79,4315.86 1805.2,4315.86 1834.96,4286.1 R19.2@1834.96,4280
NetL1_2: L1.2 PS1.1 PS1.2 PS1.3
NetL2_2: L2.2 PS2.1 PS2.2 PS2.3
NetL3_2: L3.2 PS3.1 PS3.2 PS3.3
NetLED0_K: LED0.K R75.2 | length 102.5
  Top Layer w4: LED0.K@4040,1624.96 4041.1,1624.96 4075,1591.06 v1(4075,1590)
  Bottom Layer w4: R75.2@4035,1560.04 4041.1,1560.04 4068.44,1587.38 4072.38,1587.38 v1(4075,1590)
NetLED1_K: LED1.K R76.2 | length 101.4
  Top Layer w4: LED1.K@3930,1624.96 3936.1,1624.96 3970,1591.06 v1(3970,1590)
  Bottom Layer w4: R76.2@3936.1,1560.04 3937.41,1560.04 3967.38,1590 v1(3970,1590)
NetLED2_K: LED2.K R77.2 | length 116.9
  Top Layer w4: LED2.K@3825,1624.96 3831.1,1624.96 3866.73,1589.33 v1(3870,1589.33)
  Bottom Layer w4: R77.2@3825,1560.04 3831.1,1560.04 3848.23,1577.17 3857.84,1577.17 v1(3870,1589.33)
NetLED3_K: LED3.K R78.2 | length 116.9
  Top Layer w4: LED3.K@3720,1624.96 3726.1,1624.96 3758.44,1592.62 3762.38,1592.62 v1(3765,1590)
  Bottom Layer w4: R78.2@3720,1560.04 3726.1,1560.04 3745.93,1579.87 3754.87,1579.87 v1(3765,1590)
NetPS1_5: PS1.5 R34.1 R37.2 | length 195.1
  Top Layer w10: PS1.5@1599.53,3113.11 1599.53,3160.55 1628.9,3189.92 R37.2@1635,3189.92 1635.08,3190 R34.1@1735,3190
NetPS2_5: PS2.5 R36.1 R38.2 | length 198.8
  Top Layer w10: PS2.5@1600.47,3709.06 1600.47,3756.53 1628.9,3784.96 R38.2@1635,3784.96 R36.1@1740,3784.96
NetPS3_5: PS3.5 R41.1 R44.2 | length 206.2
  Top Layer w10: PS3.5@1599.53,2519.06 1599.53,2565.59 1633.9,2599.96 R41.1@1745,2599.96
NetR1_2: R1.2 X1.3 | length 105.8
  Bottom Layer w4: X1.3@2509.37,3275.63 2564.68,3275.63 2573.69,3266.62 2590.16,3250.16 2590.16,3249.17 2599.02,3240.32 R1.2@2600,3240.32
NetR2_1: R2.1 U1.B10 | length 1224.2
  Top Layer w4: R2.1@2338.66,3625 2343.19,3620.47 2479.76,3620.47 v1(2480,3620.72) ; v1(2615,3525) 2615,3383.94 2662.8,3336.14 2837.82,3336.14 2865.68,3364 2929.01,3364 2943.01,3350 2961.25,3350 3019.48,3291.78 3091.99,3291.78 3136.5,3247.26 3136.5,3141.46 U1.B10@3152.25,3125.72
  Bottom Layer w4: v1(2480,3620.72) 2580.55,3620.72 2615,3586.27 v1(2615,3525)
NetR3_1: R3.1 R4.1 U1.E11 | length 1551.9
  Top Layer w4: R4.1@2338.66,3370 R3.1@2338.66,3495 2338.66,3508.19 2358.91,3528.43 2382.16,3528.43 v1(2450,3596.27) ; v1(2635,3583.42) 2635,3383.93 2674.79,3344.14 2834.51,3344.14 2865.37,3375 2931.08,3375 2948.08,3358 2964.57,3358 3022.57,3300 3095.08,3300 3144.5,3250.57 3144.5,3192.5 3168.74,3168.26 3168.74,3046.23 U1.E11@3183.75,3031.23
  Bottom Layer w4: v1(2450,3596.27) 2450,3615.84 2477.1,3642.93 2575.49,3642.93 v1(2635,3583.42)
NetR5_1: R5.1 U1.R10 | length 1262.5
  Top Layer w4: R5.1@2338.66,2925 2358.91,2904.76 2358.91,2662.09 2493.82,2527.18 2995.4,2527.18 3011.26,2543.04 3011.26,2596.5 3021.54,2606.78 3032.48,2606.78 3042.76,2617.05 3042.76,2628 3051.55,2636.79 3093.99,2636.79 3104.78,2647.57 v1(3104.78,2669.37) ; v1(3136.5,2700.75) 3136.62,2700.75 3152.14,2716.27 U1.R10@3152.25,2716.27
  Bottom Layer w4: v1(3104.78,2669.37) 3104.78,2691.75 3113.78,2700.75 v1(3136.5,2700.75)
NetR6_2: R6.2 R12.2 U1.R11 | length 1262.7
  Top Layer w4: R12.2@2295.04,2725 2315.75,2725 2350.91,2689.84 2350.91,2658.77 2494.68,2515 v1(3085,2515) ; v1(3136.79,2515) 3167.26,2545.47 3167.26,2699.78 U1.R11@3183.75,2716.27
  Top Layer w12: R12.2@2295.04,2725 R6.2@2295.04,2820
  Bottom Layer w4: v1(3085,2515) v1(3136.79,2515)
NetR9_2: R9.2 U1.L6 | length 848.6
  Top Layer w4: R9.2@2338.66,3045 2390.47,3045 v1(2410,3025.47) ; v1(2635,2845) v1(2715,2845) ; v1(2948.1,2826.5) 3010.52,2826.5 U1.L6@3026.27,2842.25
  Bottom Layer w4: v1(2410,3025.47) 2411.17,3025.47 2449.8,2986.84 2449.8,2933.56 2473.6,2909.76 2502.24,2909.76 2540,2872 2540,2853.57 2571.81,2821.76 2616.44,2821.76 2625,2830.32 2625,2834.81 2635,2844.81 v1(2635,2845) ; v1(2715,2845) 2929.61,2845 v1(2948.1,2826.5)
NetR13_1: R13.1 U1.A5 | length 1813.3
  Top Layer w4: U1.A5@2994.77,3157.21 2994.77,3158.49 3010,3173.72 v1(3010,3175)
  Bottom Layer w4: v1(3010,3175) 2993.07,3175 2974.18,3156.11 2911.45,3156.11 2910.24,3157.33 2672.67,3157.33 2655,3175 2655,3261.62 2497.34,3419.28 2396,3419.28 2345.28,3470 2345.28,3820.28 2381.1,3856.1 R13.1@2898.82,3856.1 ; R13.1@2898.82,3856.1 2904.92,3850 R13.1@2898.82,3856.1
NetR28_1: R28.1 U3.1 | length 141.4
  Bottom Layer w4: R28.1@2130,3553.66 2143.19,3553.66 2187.98,3598.46 2187.98,3639.12 2198.87,3650 U3.1@2207.64,3650
NetR29_1: R29.1 R30.1 U3.7 | length 237.1
  Bottom Layer w4: U3.7@2412.36,3700 2518.66,3700 R30.1@2535,3683.66 R29.1@2535,3791.34
NetR31_2: R31.2 U3.4 | length 143.4
  Bottom Layer w4: U3.4@2207.64,3800 2216.53,3800 2227.42,3810.88 2227.42,3819.78 2251.34,3843.7 R31.2@2251.34,3920.04
NetR55_2: R55.2 X2.3 | length 113.2
  Top Layer w5: R55.2@3835,2669.68 3891.77,2669.68 X2.3@3931.69,2629.77
NetR59_2: R59.2 X3.3 | length 77
  Bottom Layer w4: R59.2@3865.32,2947.26 R59.2@3866.11,2946.46 ; R59.2@3880.32,2945 3881.78,2946.46 X3.3@3955.63,2946.46
NetR65_1: R65.1 U12.7 | length 216.1
  Top Layer w4: U12.7@1759.77,1620 1803.99,1620 1813.99,1630 v1(1815,1630)
  Bottom Layer w4: R65.1@1790,1776.34 1790,1716.65 1815,1691.65 v1(1815,1630)
NetR68_1: R68.1 U12.6 | length 293.4
  Top Layer w4: U12.6@1759.77,1570 v1(1815,1570)
  Bottom Layer w4: v1(1815,1570) 1895,1650 R68.1@1895,1775
NetR71_1: R71.1 SW0.2 | length 316.1
  Bottom Layer w4: R71.1@4308.66,1430 4308.66,1271.34 SW0.2@4420,1160
NetR72_1: R72.1 SW1.2 | length 306.3
  Bottom Layer w4: R72.1@4622.32,1430 4622.32,1247.68 SW1.2@4710,1160
P1_N: PMOD1.3 U1.D20 | length 2049.5
  Top Layer w4: U1.D20@3467.21,3062.72 3467.21,3063.22 3475.21,3071.22 3476.74,3071.22 3481.74,3071.22 3489.74,3071.22 3491.74,3069.22 3491.74,3065.52 3493.74,3063.52 3499.74,3063.52 3501.74,3065.52 3501.74,3069.22 3503.74,3071.22 3509.74,3071.22 3511.74,3069.22 3511.74,3065.52 3513.74,3063.52 3519.74,3063.52 3521.74,3065.52 3521.74,3069.22 3523.74,3071.22 3669.96,3071.22 3904.13,3305.39 3904.13,3759.08 3921.82,3776.76 3921.82,4076.74 3923.07,4078 3941.87,4078 3947.82,4083.94 3947.82,4098.06 3941.87,4104 3897.07,4104 3895.82,4105.26 3895.82,4112.74 3897.07,4114 3941.87,4114 3947.82,4119.94 3947.82,4134.06 3941.87,4140 3923.07,4140 3921.82,4141.26 3921.82,4335.9 3915.87,4341.84 3897.07,4341.84 3895.82,4343.1 3895.82,4350.59 3897.07,4351.84 3941.87,4351.84 3947.82,4357.79 3947.82,4371.9 3941.87,4377.84 3923.07,4377.84 3921.82,4379.1 3921.82,4405.19 3954,4437.37 3954,4497.66 3956.34,4500 PMOD1.3@4000,4500
P1_P: PMOD1.1 U1.D19 | length 2049.4
  Top Layer w4: U1.D19@3435.72,3062.72 3438.01,3065.02 3448.29,3065.02 3462.48,3079.22 3473.43,3079.22 3545,3079.22 3666.65,3079.22 3896.13,3308.7 3896.13,3762.39 3913.82,3780.08 3913.82,4080.06 3919.76,4086 3938.56,4086 3939.82,4087.26 3939.82,4094.74 3938.56,4096 3893.76,4096 3887.82,4101.94 3887.82,4116.06 3893.76,4122 3938.56,4122 3939.82,4123.26 3939.82,4130.74 3938.56,4132 3919.76,4132 3913.82,4137.94 3913.82,4332.59 3912.56,4333.84 3893.76,4333.84 3887.82,4339.79 3887.82,4353.9 3893.76,4359.84 3938.56,4359.84 3939.82,4361.1 3939.82,4368.59 3938.56,4369.84 3919.76,4369.84 3913.82,4375.79 3913.82,4408.5 3946,4440.68 3946,4497.66 3943.66,4500 PMOD1.1@3900,4500
P2_N: PMOD1.4 U1.B20 | length 2056.6
  Top Layer w4: U1.B20@3467.21,3125.72 3478.96,3113.97 3635,3113.97 3863.82,3342.78 3863.82,4381.18 3807,4438 3807,4575.71 3805.74,4576.97 3803.3,4576.97 3797.35,4582.91 3797.35,4597.03 3803.3,4602.97 3805.74,4602.97 3807,4604.23 3807,4633.63 3829.03,4655.66 3836.37,4663 3899.97,4663 3954,4608.97 3954,4602.34 3956.34,4600 PMOD1.4@4000,4600
P2_P: PMOD1.2 U1.C20 | length 2055.9
  Top Layer w4: U1.C20@3467.21,3094.22 3478.96,3105.97 3638.31,3105.97 3871.82,3339.47 3871.82,4384.5 3815,4441.31 3815,4579.03 3809.06,4584.97 3806.61,4584.97 3805.35,4586.23 3805.35,4593.71 3806.61,4594.97 3809.06,4594.97 3815,4600.91 3815,4630.31 3834.69,4650 3836.15,4651.46 3839.69,4655 3851.66,4655 3859.66,4655 3861.66,4653 3861.66,4648.41 3863.66,4646.41 3869.66,4646.41 3871.66,4648.41 3871.66,4653 3873.66,4655 3881.66,4655 3891.66,4655 3896.66,4655 3903.12,4648.54 3906.66,4645 3946,4605.66 3946,4602.34 3943.66,4600 PMOD1.2@3900,4600
P3_N: PMOD1.7 U1.G20 | length 2055.9
  Top Layer w4: U1.G20@3467.21,2968.24 3467.21,2968.73 3475.21,2976.73 3480.21,2976.73 3488.21,2976.73 3490.21,2974.73 3490.21,2966.13 3492.21,2964.13 3498.21,2964.13 3500.21,2966.13 3500.21,2974.73 3502.21,2976.73 3626.74,2976.73 3995,3344.99 3995,3748.52 4025,3778.52 4025,4280 4154,4409 4154,4433.06 4148.06,4439 4130.3,4439 4129.05,4440.26 4129.05,4447.74 4130.3,4449 4172.29,4449 4178.23,4454.94 4178.23,4469.06 4172.29,4475 4155.26,4475 4154,4476.26 4154,4497.66 4156.34,4500 PMOD1.7@4200,4500
P3_P: PMOD1.5 U1.G19 | length 2056.6
  Top Layer w4: U1.G19@3435.72,2968.24 3438.01,2970.53 3448.29,2970.53 3462.48,2984.73 3520,2984.73 3623.43,2984.73 3987,3348.3 3987,3751.83 4017,3781.83 4017,4283.31 4146,4412.31 4146,4429.74 4144.74,4431 4126.99,4431 4121.05,4436.94 4121.05,4451.06 4126.99,4457 4168.98,4457 4170.23,4458.26 4170.23,4465.74 4168.98,4467 4151.94,4467 4146,4472.94 4146,4497.66 4143.66,4500 PMOD1.5@4100,4500
P4_N: PMOD1.8 U1.F20 | length 2056.8
  Top Layer w4: U1.F20@3467.21,2999.73 3467.21,3000.23 3475.21,3008.22 3478.52,3008.22 3487.01,2999.73 3492.01,2999.73 3500.01,2999.73 3502.01,2997.73 3502.01,2995.82 3504.01,2993.82 3510.01,2993.82 3512.01,2995.82 3512.01,2997.73 3514.01,2999.73 3520.01,2999.73 3522.01,2997.73 3522.01,2995.82 3524.01,2993.82 3530.01,2993.82 3532.01,2995.82 3532.01,2997.73 3534.01,2999.73 3540.01,2999.73 3542.01,2997.73 3542.01,2995.82 3544.01,2993.82 3550.01,2993.82 3552.01,2995.82 3552.01,2997.73 3554.01,2999.73 3570,2999.73 3621.11,2999.73 3943,3321.62 3943,3749.11 3971.82,3777.93 3971.82,4381.82 4063.47,4473.47 4063.47,4515.13 4099.56,4551.22 4114.19,4551.22 4154,4591.03 4154,4597.66 4156.34,4600 PMOD1.8@4200,4600
P4_P: PMOD1.6 U1.F19 | length 2056.7
  Top Layer w4: U1.F19@3435.72,2999.73 3438.01,3002.03 3448.29,3002.03 3462.48,3016.22 3481.83,3016.22 3490.32,3007.73 3554.01,3007.73 3570,3007.73 3617.79,3007.73 3935,3324.94 3935,3752.43 3963.82,3781.24 3963.82,4385.13 4055.47,4476.78 4055.47,4518.45 4096.24,4559.22 4110.88,4559.22 4146,4594.34 4146,4597.66 4143.66,4600 PMOD1.6@4100,4600
P5_N: PMOD2.8 U1.A20 | length 2368.4
  Top Layer w4: PMOD2.8@3300,4600 3256.34,4600 3254,4602.34 3254,4605.66 3325.03,4676.69 3623.31,4676.69 3714.67,4585.33 3714.67,4378.48 3815,4278.15 3815,3342.57 3652.43,3180 3619.67,3180 3617.67,3182 3617.67,3189.36 3615.67,3191.36 3609.67,3191.36 3607.67,3189.36 3607.67,3182 3605.67,3180 3599.67,3180 3597.67,3182 3597.67,3189.36 3595.67,3191.36 3589.67,3191.36 3587.67,3189.36 3587.67,3182 3585.67,3180 3579.67,3180 3577.67,3182 3577.67,3184.5 3575.67,3186.5 3569.67,3186.5 3567.67,3184.5 3567.67,3182 3565.67,3180 3559.67,3180 3557.67,3182 3557.67,3189.36 3555.67,3191.36 3549.67,3191.36 3547.67,3189.36 3547.67,3182 3545.67,3180 3539.67,3180 3537.67,3182 3537.67,3189.36 3535.67,3191.36 3529.67,3191.36 3527.67,3189.36 3527.67,3182 3525.67,3180 3517.67,3180 3507.67,3180 3502.67,3180 3496.55,3173.88 3489.47,3166.81 3482.4,3159.74 3478.87,3156.2 3468.22,3156.2 U1.A20@3467.21,3157.21
P5_P: PMOD2.6 U1.B19 | length 2368.1
  Top Layer w4: PMOD2.6@3200,4600 3243.66,4600 3246,4602.34 3246,4608.97 3321.72,4684.69 3626.63,4684.69 3722.67,4588.64 3722.67,4381.79 3823,4281.46 3823,3339.25 3655.75,3172 3505.98,3172 3475.39,3141.41 3451.41,3141.41 U1.B19@3435.72,3125.72
PSCLK: R1.1 U1.E7 | length 541.8
  Top Layer w4: v1(2674.68,3110) 2713.87,3110 2768.87,3055 2855.29,3055 2862.57,3047.72 3041.27,3047.72 U1.E7@3057.76,3031.23
  Bottom Layer w4: R1.1@2600,3179.69 2600,3141.27 2631.27,3110 v1(2674.68,3110)
Q1_N: PMOD4+.15 U1.U12 | length 1358
  Top Layer w4: U1.U12@3215.24,2653.28 v1(3230.99,2637.53)
  Bottom Layer w4: PMOD4+.15@3200,1900 3200,1856.34 3197.66,1854 3177.94,1854 3172,1848.06 3172,1844.21 3170.74,1842.95 3163.26,1842.95 3162,1844.21 3162,1848.06 3156.06,1854 2979,1854 2908,1925 2908,1937.74 2909.26,1939 2911.48,1939 2917.43,1944.94 2917.43,1959.06 2911.48,1965 2909.26,1965 2908,1966.26 2908,2165.63 3005.37,2263 3048.24,2263 3091.2,2305.97 3091.2,2335.13 3128.52,2372.44 3173.54,2372.44 3197.47,2396.37 3197.47,2458.73 3215.13,2476.38 3215.13,2485 3215.13,2493 3217.13,2495 3226.27,2495 3228.27,2497 3228.27,2503 3226.27,2505 3217.13,2505 3215.13,2507 3215.13,2515 3215.13,2525 3215.13,2530 3215.13,2534.64 3215.13,2542.64 3217.13,2544.64 3226.27,2544.64 3228.27,2546.64 3228.27,2552.64 3226.27,2554.64 3217.13,2554.64 3215.13,2556.64 3215.13,2564.64 3215.13,2574.64 3215.13,2582.64 3217.13,2584.64 3217.81,2584.64 3219.81,2586.64 3219.81,2592.64 3217.81,2594.64 3217.13,2594.64 3215.13,2596.64 3215.13,2604.64 3215.13,2614.64 3215.13,2619.64 3223.13,2627.64 3223.13,2628.33 3230.99,2636.19 v1(3230.99,2637.53)
Q1_P: PMOD4+.16 U1.T12 | length 1358.2
  Top Layer w4: U1.T12@3215.24,2684.77 v1(3230.99,2669.02)
  Bottom Layer w4: PMOD4+.16@3200,1800 3200,1843.66 3197.66,1846 3181.26,1846 3180,1844.74 3180,1840.9 3174.06,1834.95 3159.94,1834.95 3154,1840.9 3154,1844.74 3152.74,1846 2975.69,1846 2900,1921.69 2900,1941.06 2905.94,1947 2908.17,1947 2909.43,1948.26 2909.43,1955.74 2908.17,1957 2905.94,1957 2900,1962.94 2900,2168.94 3002.06,2271 3044.92,2271 3083.2,2309.28 3083.2,2338.44 3125.2,2380.44 3170.23,2380.44 3189.47,2399.69 3189.47,2462.04 3207.13,2479.69 3207.13,2622.96 3215.13,2630.96 3215.13,2644.1 3228.37,2657.34 3228.37,2666.4 v1(3230.99,2669.02)
Q2_N: PMOD4+.13 U1.V13 | length 1358.3
  Top Layer w4: U1.V13@3246.74,2621.78 3246.74,2621.49 3261.8,2606.44 v1(3261.8,2606.15)
  Bottom Layer w4: v1(3261.8,2606.15) 3261.8,2609.86 3256.71,2614.95 3256.71,2615.49 3254.37,2617.84 3251.05,2617.84 3246.94,2613.72 3246.94,2592.34 3258.69,2580.59 3258.69,2575.59 3258.69,2565.59 3258.69,2557.59 3260.69,2555.59 3265.99,2555.59 3267.99,2553.59 3267.99,2547.59 3265.99,2545.59 3260.69,2545.59 3258.69,2543.59 3258.69,2537.59 3260.69,2535.59 3265.99,2535.59 3267.99,2533.59 3267.99,2527.59 3265.99,2525.59 3260.69,2525.59 3258.69,2523.59 3258.69,2515.59 3258.69,2510 3258.69,2445.74 3228,2415.05 3228,2325.44 3149.56,2247 3012,2247 3000.32,2235.32 3000.32,2112.27 3008.59,2104 3008.59,1963.62 3027.67,1944.53 3142.53,1944.53 3143.79,1945.79 3143.79,1954.97 3149.73,1960.92 3163.85,1960.92 3169.79,1954.97 3169.79,1945.79 3171.05,1944.53 3218.45,1944.53 3258.25,1904.73 3258.25,1890.09 3267.22,1881.12 3267.22,1872.72 3260.73,1866.22 3260.73,1864.45 3266.02,1859.15 3267.8,1859.15 3274.29,1865.65 3282.7,1865.65 3294.34,1854 3297.66,1854 3300,1856.34 PMOD4+.13@3300,1900
Q2_P: PMOD4+.14 U1.U13 | length 1357.6
  Top Layer w4: U1.U13@3246.74,2653.28 v1(3262.49,2637.53)
  Bottom Layer w4: v1(3262.49,2637.53) 3262.49,2633.96 3254.37,2625.84 3247.74,2625.84 3238.94,2617.04 3238.94,2589.02 3250.69,2577.27 3250.69,2523.59 3250.69,2515.59 3250.69,2510 3250.69,2449.05 3220,2418.36 3220,2328.75 3146.25,2255 3008.69,2255 2992.32,2238.63 2992.32,2108.96 3000.59,2100.69 3000.59,1960.3 3024.36,1936.53 3145.85,1936.53 3151.79,1942.48 3151.79,1951.66 3153.05,1952.92 3160.53,1952.92 3161.79,1951.66 3161.79,1942.48 3167.73,1936.53 3215.13,1936.53 3250.25,1901.41 3250.25,1886.78 3259.22,1877.81 3259.22,1876.03 3252.73,1869.54 3252.73,1861.13 3262.71,1851.15 3271.11,1851.15 3277.61,1857.65 3279.38,1857.65 3291.03,1846 3297.66,1846 3300,1843.66 PMOD4+.14@3300,1800
Q3_N: PMOD4+.12 U1.Y14 | length 1357.8
  Top Layer w4: U1.Y14@3278.24,2558.79 3278.73,2558.79 3286.73,2550.79 3286.73,2542.21 3278.24,2533.72 3278.24,2528.72 3278.24,2520.72 3276.24,2518.72 3272.58,2518.72 3270.58,2516.72 3270.58,2510.72 3272.58,2508.72 3276.24,2508.72 3278.24,2506.72 3278.24,2500.72 3276.24,2498.72 3272.58,2498.72 3270.58,2496.72 3270.58,2490.72 3272.58,2488.72 3276.24,2488.72 3278.24,2486.72 3278.24,2411.27 3303.78,2385.73 3303.78,2234.2 3296.42,2226.84 v1(3296.42,2225)
  Bottom Layer w4: v1(3296.42,2225) 3296.42,2223.16 3303.78,2215.8 3303.78,2131.79 3302.53,2130.54 3272.91,2130.54 3266.97,2124.59 3266.97,2110.48 3272.91,2104.54 3339.35,2104.54 3340.6,2103.28 3340.6,2095.79 3339.35,2094.54 3272.91,2094.54 3266.97,2088.59 3266.97,2074.48 3272.91,2068.54 3336.51,2068.54 3337.77,2067.28 3337.77,2059.79 3336.51,2058.54 3287.1,2058.54 3281.15,2052.59 3281.15,2038.48 3287.1,2032.54 3328.36,2032.54 3329.62,2031.28 3329.62,2023.79 3328.36,2022.54 3287.1,2022.54 3281.15,2016.59 3281.15,2002.48 3287.1,1996.54 3328.36,1996.54 3329.62,1995.28 3329.62,1987.79 3328.36,1986.54 3309.73,1986.54 3303.78,1980.59 3303.78,1947.88 3347.89,1903.77 3347.89,1889.14 3362.81,1874.22 3362.81,1872.44 3341.87,1851.5 3341.87,1843.1 3351.84,1833.12 3360.25,1833.12 3381.19,1854.06 3382.97,1854.06 3391.03,1846 3397.66,1846 3400,1843.66 PMOD4+.12@3400,1800